# Altium PCB uTCA_MCH_PCB3.pcbdoc (part 22 of 25)
Units mil, origin at the board's own origin, x right, y up, seen from the top; angles counter-clockwise.
Board outline 7110.66 x 2894.12 mil, 12 copper layers (Top Layer, GND1, MidLayer1, PWR1, MidLayer2, GND2, PWR2, MidLayer3, GND3, MidLayer4, PWR3, Bottom Layer), stack 63.15 mil thick; 767 components, 905 nets, 4553 pads, 2832 vias.
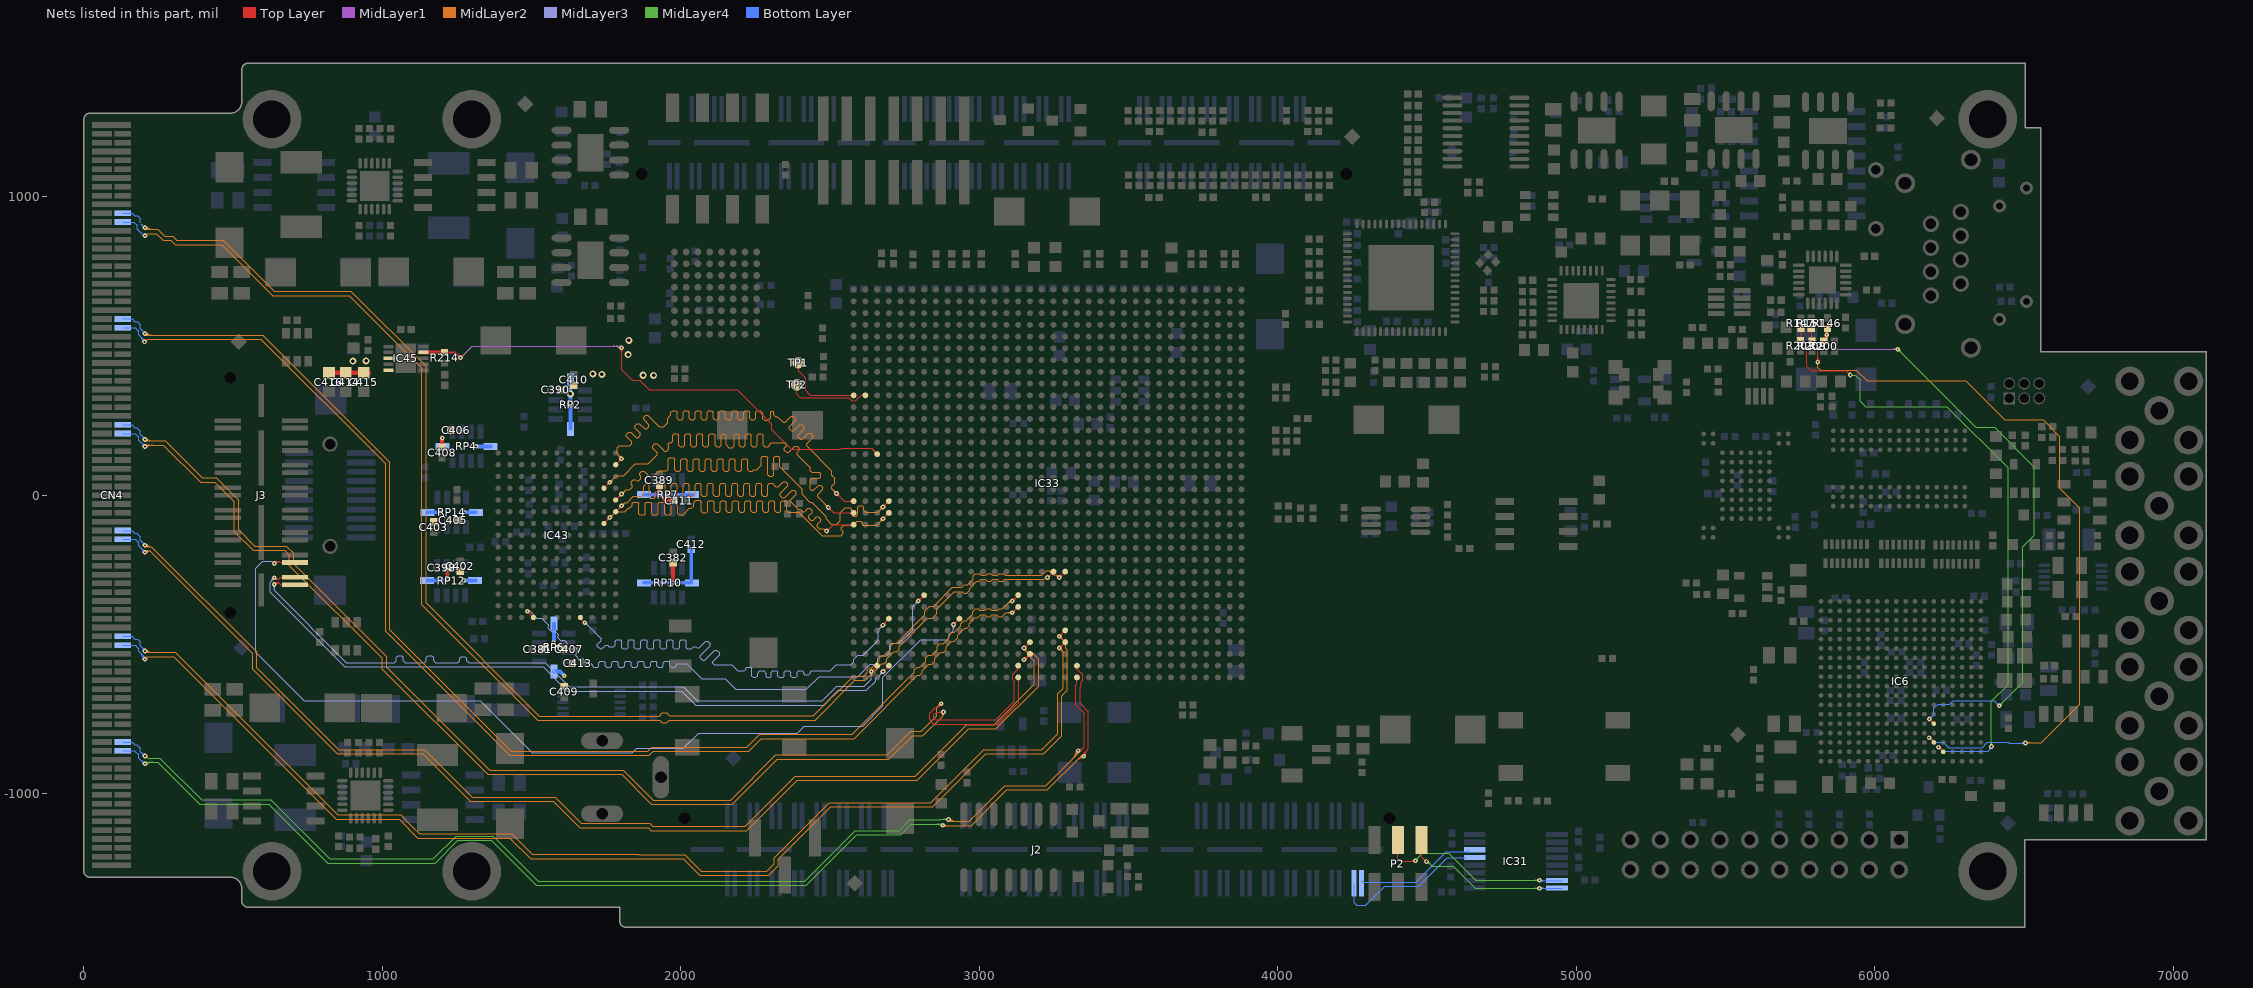
[diagram p32: the nets of this part, all layers, seen from the top]

## Via types
v1: diameter 15.75, hole 5.91, Top Layer to Bottom Layer, tented both sides, 2480 vias
v2: diameter 23.62, hole 11.81, Top Layer to Bottom Layer, tented both sides, 325 vias
v3: diameter 20, hole 10, Top Layer to Bottom Layer, tented both sides, 16 vias
v4: diameter 15.75, hole 7.87, Top Layer to Bottom Layer, tented both sides, 9 vias
v5: diameter 23.62, hole 11.81, Top Layer to Bottom Layer, 1 vias
v6: diameter 15.75, hole 5.91, Top Layer to Bottom Layer, 1 vias

## Nets (pads, with @x,y where several pads share a name; then routed paths per layer and width w, separated by ;. In a path a pad name is that pad's centre, name@x,y a point inside that pad or via, vN(x,y) a via of type N, cw(c..) or ccw(c..) an arc to the next point about the centre after c; other vN are vias at no path point) (continued)
Q2_Q31: IC33.AL20 IC43.J2 | length 1985.7
  Top Layer w3.94: IC43.J2@1742.13,-94.49 v1(1761.81,-74.8) ; v1@1755.91,-74.8 cw(c1741.65,-74.8) 1751.73,-84.88 cw(c1761.81,-94.97) v1@1761.81,-80.71 ; v1(2677.17,-78.74) IC33.AL20@2696.85,-59.06 ; v1@2677.17,-72.83 ccw(c2677.17,-58.58) 2687.25,-68.66 ccw(c2697.33,-78.74) v1@2683.07,-78.74
  MidLayer2 w3.94: v1(1761.81,-74.8) 1781.5,-55.12 1812.01,-55.12 1822.83,-44.29 1827.76,-44.29 1837.6,-34.45 1837.6,-26.36 1840.85,-23.11 1856,-23.11 1859.25,-26.36 1859.25,-62.22 1862.5,-65.47 1877.66,-65.47 1880.91,-62.22 1880.91,-26.36 1884.15,-23.11 1899.31,-23.11 1902.56,-26.36 1902.56,-62.22 1905.81,-65.47 1920.96,-65.47 1924.21,-62.22 1924.21,-26.36 1927.46,-23.11 1942.62,-23.11 1945.87,-26.36 1945.87,-62.22 1949.11,-65.47 1964.27,-65.47 1967.52,-62.22 1967.52,-26.36 1970.77,-23.11 1985.92,-23.11 1989.17,-26.36 1989.17,-62.22 1992.42,-65.47 2007.58,-65.47 2010.83,-62.22 ; v1@1761.81,-68.9 ccw(c1761.81,-54.64) 1771.89,-64.72 ccw(c1781.97,-74.8) v1@1767.72,-74.8 ; 2010.83,-62.01 2028.54,-44.29 2035.43,-44.29 2042.32,-37.4 2042.32,-24.61 2050.2,-16.73 2062.99,-16.73 2067.91,-21.65 2067.91,-53.15 2073.82,-59.06 2083.66,-59.06 2089.57,-53.15 2089.57,-21.65 2093.5,-17.72 2106.82,-17.72 2111.89,-22.79 2111.89,-52.01 2116.97,-57.09 2127.11,-57.09 2132.19,-52.01 2132.19,-22.79 2137.26,-17.72 2147.4,-17.72 2152.48,-22.79 2152.48,-52.01 2157.55,-57.09 2167.7,-57.09 2172.77,-52.01 2172.77,-22.79 2177.84,-17.72 2187.99,-17.72 2193.06,-22.79 2193.06,-52.01 2198.13,-57.09 2208.28,-57.09 2213.35,-52.01 2213.35,-22.79 2218.42,-17.72 2228.57,-17.72 2233.64,-22.79 2233.64,-52.01 2238.71,-57.09 2248.86,-57.09 2253.93,-52.01 2253.93,-22.79 2259.01,-17.72 2269.15,-17.72 2274.22,-22.79 2274.22,-52.01 2279.3,-57.09 2289.44,-57.09 2294.52,-52.01 2294.52,-22.79 2299.59,-17.72 2309.73,-17.72 2314.81,-22.79 2314.81,-52.01 2319.88,-57.09 2330.03,-57.09 2335.1,-52.01 2335.1,-22.79 2340.17,-17.72 2350.32,-17.72 2355.39,-22.79 2355.39,-52.01 2360.46,-57.09 2395.67,-57.09 2473.6,-135.02 2537.22,-135.02 2544.29,-127.95 2544.29,-123.03 2537.4,-116.14 2537.4,-109.25 2546.26,-100.39 2583.37,-100.39 2586.61,-97.15 2586.61,-90.33 2589.86,-87.09 2605.02,-87.09 2608.27,-90.33 2608.27,-97.15 2611.52,-100.39 2655.51,-100.39 v1(2677.17,-78.74) ; v1@2671.26,-78.74 cw(c2657,-78.74) 2667.08,-88.82 cw(c2677.17,-98.9) v1@2677.17,-84.65
Q2_Q32: IC33.AP21 IC43.K1 | length 1984.9
  Top Layer w3.94: IC43.K1@1781.5,-55.12 v1(1801.18,-35.43) ; v1@1795.28,-35.43 cw(c1781.02,-35.43) 1791.1,-45.51 cw(c1801.18,-55.6) v1@1801.18,-41.34 ; v1(2488.19,-120.08) 2509.84,-98.43 IC33.AP21@2578.74,-98.43 ; v1@2488.19,-114.17 ccw(c2488.19,-99.92) 2498.27,-110 ccw(c2508.35,-120.08) v1@2494.09,-120.08
  MidLayer2 w3.94: v1(1801.18,-35.43) 1811.65,-24.96 1819.53,-24.96 1840.55,-3.94 1870.08,-3.94 1875,0.98 1875,29.53 1884.84,39.37 1889.76,39.37 1893.7,35.43 ; v1@1801.18,-29.53 ccw(c1801.18,-15.27) 1811.26,-25.35 ccw(c1821.34,-35.43) v1@1807.09,-35.43 ; 1893.7,34.45 1893.7,-5.91 1897.64,-9.84 1910.43,-9.84 1914.37,-5.91 1914.37,7.87 1926.18,19.68 1926.18,33.93 1931.62,39.37 1941.77,39.37 1946.84,34.3 1946.84,1.14 1951.91,-3.94 1962.06,-3.94 1967.13,1.14 1967.13,34.3 1972.2,39.37 1982.35,39.37 1987.42,34.3 1987.42,1.14 1992.49,-3.94 2002.64,-3.94 2007.71,1.14 2007.71,34.3 2012.79,39.37 2022.93,39.37 2028,34.3 2028,1.14 2033.08,-3.94 2043.22,-3.94 2048.3,1.14 2048.3,34.3 2053.37,39.37 2063.51,39.37 2068.59,34.3 2068.59,1.14 2073.66,-3.94 2083.81,-3.94 2088.88,1.14 2088.88,34.3 2093.95,39.37 2104.1,39.37 2109.17,34.3 2109.17,1.14 2114.24,-3.94 2124.39,-3.94 2129.46,1.14 2129.46,34.3 2134.53,39.37 2144.68,39.37 2149.75,34.3 2149.75,1.14 2154.83,-3.94 2164.97,-3.94 2170.04,1.14 2170.04,34.3 2175.12,39.37 2185.26,39.37 2190.34,34.3 2190.34,1.14 2195.41,-3.94 2205.55,-3.94 2210.63,1.14 2210.63,34.3 2215.7,39.37 2225.84,39.37 2230.92,34.3 2230.92,1.14 2235.99,-3.94 2246.14,-3.94 2251.21,1.14 2251.21,34.3 2256.28,39.37 2266.43,39.37 2271.5,34.3 2271.5,1.14 2276.57,-3.94 2286.72,-3.94 2291.79,1.14 2291.79,34.3 2296.86,39.37 2307.01,39.37 2312.08,34.3 ; 2312.16,34.3 2318.55,27.91 2325.72,27.91 2343.6,45.79 2350.78,45.79 2357.95,38.62 2357.95,31.44 2336.48,9.97 2332.35,5.84 2332.35,-1.33 2339.53,-8.51 2346.7,-8.51 2350.83,-4.37 2372.3,17.09 2379.47,17.09 2386.65,9.92 2386.65,2.75 2368.77,-15.14 2368.77,-22.31 2393.7,-47.24 2399.61,-47.24 2407.62,-55.25 2414.04,-55.25 2417.72,-51.58 2425.27,-44.03 2432.44,-44.03 2439.61,-51.2 2439.61,-58.37 2432.07,-65.92 2428.39,-69.6 2428.39,-76.78 2435.56,-83.95 2442.73,-83.95 2446.41,-80.27 2453.96,-72.72 2461.14,-72.72 2468.31,-79.9 2468.31,-87.07 2460.76,-94.62 2457.08,-98.3 2457.08,-105.47 2464.26,-112.65 2471.43,-112.65 ; 2471.52,-112.55 2478.7,-112.55 ; 2479.5,-113.36 cw(c2472.78,-120.08) v1@2482.28,-120.08 ; v1@2486.42,-114.45 cw(c2484.11,-107.14) 2478.7,-112.56 ; v1@2488.19,-122.05 2487.2,-121.06 2478.7,-112.55
Q2_Q33: IC33.AL19 IC43.L1 | length 1997
  Top Layer w3.94: IC43.L1@1781.5,-15.75 v1(1801.18,3.94) ; v1@1795.28,3.94 cw(c1781.02,3.94) 1791.1,-6.14 cw(c1801.18,-16.23) v1@1801.18,-1.97 ; v1(2677.17,-39.37) IC33.AL19@2696.85,-19.68 ; v1@2677.17,-33.46 ccw(c2677.17,-19.21) 2687.25,-29.29 ccw(c2697.33,-39.37) v1@2683.07,-39.37
  MidLayer2 w3.94: v1(1801.18,3.94) 1814.96,17.72 1828.74,17.72 1837.36,26.33 1837.36,33.51 1833.4,37.47 1833.4,44.64 1840.57,51.82 1847.74,51.82 1851.71,47.86 1858.88,47.86 1866.05,55.03 1866.05,62.2 1862.09,66.17 1862.09,73.34 1869.27,80.51 1876.44,80.51 1891.54,65.42 1909.91,65.42 1927.17,82.68 1952.76,82.68 1957.68,87.6 1957.68,121.06 1961.61,125 1975.39,125 1979.33,121.06 1979.33,86.19 1985.08,80.45 1995.22,80.45 2000.3,85.52 2000.3,116.97 2005.37,122.05 2015.51,122.05 2020.59,116.97 2020.59,85.52 2025.66,80.45 2035.81,80.45 2040.88,85.52 2040.88,116.97 2045.95,122.05 2056.1,122.05 2061.17,116.97 2061.17,85.52 2066.24,80.45 2076.39,80.45 2081.46,85.52 2081.46,116.97 2086.53,122.05 2096.68,122.05 2101.75,116.97 2101.75,85.52 2106.83,80.45 2116.97,80.45 2122.04,85.52 2122.04,116.97 2127.12,122.05 2137.26,122.05 2142.33,116.97 2142.33,85.52 2147.41,80.45 2157.55,80.45 2162.63,85.52 2162.63,116.97 2167.7,122.05 2177.84,122.05 2182.92,116.97 2182.92,85.52 2187.99,80.45 2198.14,80.45 2203.21,85.52 2203.21,116.97 2208.28,122.05 2218.43,122.05 2223.5,116.97 2223.5,85.52 2228.57,80.45 2238.72,80.45 2243.79,85.52 2254.81,85.52 2269.99,100.7 2269.99,124.85 2275.06,129.92 2285.21,129.92 2290.28,124.85 2290.28,69.29 2295.35,64.22 2305.5,64.22 2310.57,69.29 2310.57,124.85 2315.64,129.92 2325.79,129.92 2330.86,124.85 2330.86,96.3 2406.85,20.31 2406.85,2.6 2432.19,-22.74 2438.09,-22.74 2486.74,-71.38 2486.74,-79.25 2503.94,-96.46 2521.83,-96.46 2533.46,-84.82 2533.46,-59.06 2551.18,-41.34 2566.93,-41.34 2572.68,-47.09 2572.68,-64.46 2577.75,-69.53 2587.9,-69.53 2592.97,-64.46 2592.97,-40.41 2598.05,-35.33 2608.19,-35.33 2613.26,-40.41 2613.26,-52.01 2618.34,-57.09 2659.45,-57.09 v1(2677.17,-39.37) ; v1@1801.18,9.84 ccw(c1801.18,24.1) 1811.26,14.02 ccw(c1821.34,3.94) v1@1807.09,3.94 ; v1@2671.26,-39.37 cw(c2657.01,-39.37) 2667.09,-49.45 cw(c2677.17,-59.54) v1@2677.17,-45.28
Q2_Q34: IC33.AP20 IC43.M2 | length 1983.1
  Top Layer w3.94: IC43.M2@1742.13,23.62 v1(1761.81,43.31) ; v1@1755.91,43.31 cw(c1741.65,43.31) 1751.73,33.23 cw(c1761.81,23.14) v1@1761.81,37.4 ; v1@2494.09,-47.24 cw(c2494.09,-61.5) 2504.18,-51.42 cw(c2514.26,-41.34) v1@2500,-41.34 ; v1(2494.09,-41.34) 2511.81,-59.06 IC33.AP20@2574.8,-59.06
  MidLayer2 w3.94: v1(1761.81,43.31) 1784.27,65.77 1808.19,65.77 1847.38,104.96 1890.39,104.96 1921.17,135.74 1921.17,142.91 1906.08,158.01 1906.08,165.18 1913.25,172.36 1920.42,172.36 1939.11,153.67 1944.76,148.03 1951.93,148.03 1959.1,155.2 1959.1,162.37 1957.04,164.44 1957.04,171.61 1960.63,175.2 1967.21,175.2 1972.28,180.27 1972.28,201.62 1977.35,206.69 1987.5,206.69 1992.57,201.62 1992.57,167.4 1997.64,162.33 2007.79,162.33 2012.86,167.4 2012.86,201.62 2017.94,206.69 2028.08,206.69 2033.15,201.62 2033.15,167.4 2038.23,162.33 2048.37,162.33 2053.45,167.4 2053.45,201.62 2058.52,206.69 2068.66,206.69 2073.74,201.62 2073.74,167.4 2078.81,162.33 2088.96,162.33 2094.03,167.4 2094.03,201.62 2099.1,206.69 2109.25,206.69 2114.32,201.62 2114.32,167.4 2119.39,162.33 2129.54,162.33 2134.61,167.4 2134.61,201.62 2139.68,206.69 2145.94,206.69 2151.81,200.83 2151.81,168.78 2160.63,159.96 2172.56,159.96 2179.06,166.46 2179.06,202.64 2183.11,206.69 2190.41,206.69 2195.48,201.62 2195.48,167.4 2200.56,162.33 2210.7,162.33 2215.78,167.4 2215.78,201.62 2220.85,206.69 2230.99,206.69 2236.07,201.62 2236.07,167.4 2241.14,162.33 2251.29,162.33 2256.36,167.4 2256.36,201.62 2261.43,206.69 2271.58,206.69 2276.65,201.62 2276.65,167.4 2281.72,162.33 2291.87,162.33 2296.94,167.4 2296.94,170.12 2302.01,175.2 2314.96,175.2 2350.39,175.2 2353.67,171.92 2353.67,164.74 2346.93,158 2346.93,150.82 2354.1,143.65 2361.28,143.65 2371.61,153.98 2381.94,164.31 2389.12,164.31 2396.29,157.14 2396.29,149.96 2389.55,143.22 2389.55,136.05 2433.07,92.52 2433.07,81.54 2438.14,76.47 2463.43,76.47 2468.5,71.4 2468.5,61.25 2463.43,56.18 2438.14,56.18 2433.07,51.1 2433.07,19.68 2436.66,16.1 2443.83,16.1 2461.71,33.98 2468.89,33.98 2476.06,26.8 2476.06,19.63 2458.18,1.75 2458.18,-5.42 2488.19,-35.43 ; v1@1761.81,49.21 ccw(c1761.81,63.47) 1771.89,53.39 ccw(c1781.97,43.31) v1@1767.72,43.31 ; v1@2488.19,-41.34 ccw(c2473.93,-41.34) 2484.01,-31.26 ccw(c2494.09,-21.18) v1@2494.09,-35.43 ; v1@2488.19,-37.4 v1@2494.09,-37.4
Q2_Q35: IC33.AP19 IC43.P1 | length 2003.8
  Top Layer w3.94: IC43.P1@1781.5,102.36 v1(1801.18,122.05) ; v1@1795.28,122.05 cw(c1781.02,122.05) 1791.1,111.97 cw(c1801.18,101.88) v1@1801.18,116.14 ; v1@2521.65,0 cw(c2521.65,-14.26) 2531.73,-4.18 cw(c2541.82,5.91) v1@2527.56,5.91 ; v1(2521.65,5.91) 2547.24,-19.68 2566.93,-19.68 ; 2553.15,-19.68 IC33.AP19@2578.74,-19.68
  MidLayer2 w3.94: 1788.85,137.57 cw(c1773.33,122.05) v1@1795.28,122.05 ; 1795.57,130.85 cw(c1786.77,122.05) v1@1799.21,122.05 ; 1796.54,129.88 ccw(c1801.18,134.52) v1@1801.18,127.95 ; v1(1801.18,122.05) 1801.18,125.23 1787.4,139.01 1787.4,159.45 1793.31,165.35 1828.74,165.35 1835.28,171.89 1835.28,179.07 1817.4,196.95 1817.4,204.12 1824.57,211.3 1831.75,211.3 1849.63,193.42 1856.8,193.42 1863.98,200.59 1863.98,207.76 1846.1,225.65 1846.1,232.82 1853.27,239.99 1860.44,239.99 1878.32,222.11 1885.5,222.11 1892.67,229.29 1892.67,236.46 1874.79,254.34 1874.79,261.52 1881.97,268.69 1889.14,268.69 1927.51,230.32 1942.91,230.32 1955.66,243.06 1955.66,257.67 1966.84,268.85 1966.84,278.31 1971.91,283.39 1982.06,283.39 1987.13,278.31 1987.13,257.95 1992.2,252.88 2002.35,252.88 2007.42,257.95 2007.42,278.31 2012.49,283.39 2022.64,283.39 2027.71,278.31 2027.71,257.95 2032.79,252.88 2042.93,252.88 2048,257.95 2048,278.31 2053.08,283.39 2063.22,283.39 2068.3,278.31 2068.3,257.95 2073.37,252.88 2083.51,252.88 2088.59,257.95 2088.59,278.31 2093.66,283.39 2103.8,283.39 2108.88,278.31 2108.88,257.95 2113.95,252.88 2124.1,252.88 2129.17,257.95 2129.17,278.31 2134.24,283.39 2144.39,283.39 2149.46,278.31 2149.46,257.95 2154.53,252.88 2164.68,252.88 2169.75,257.95 2169.75,278.31 2174.82,283.39 2184.97,283.39 2190.04,278.31 2190.04,257.95 2195.12,252.88 2205.26,252.88 2210.33,257.95 2210.33,278.31 2215.41,283.39 2225.55,283.39 2230.63,278.31 2230.63,257.95 2235.7,252.88 2245.84,252.88 2250.92,257.95 2250.92,278.31 2255.99,283.39 2266.14,283.39 2274.61,274.92 2274.61,256.97 2280.8,250.77 2292.11,250.77 2300.87,259.53 2300.87,280.2 2302.72,282.05 2308.06,282.05 2311.79,278.31 2311.79,268.85 2316.86,263.78 2322.83,263.78 2342.17,244.44 2349.34,244.44 2370.01,265.11 2377.18,265.11 2384.36,257.94 2384.36,250.76 2363.69,230.1 2363.69,222.92 2370.87,215.75 2378.04,215.75 2398.7,236.41 2405.88,236.41 2413.05,229.24 2413.05,222.06 2392.39,201.4 2392.39,194.23 2399.56,187.05 2406.74,187.05 2427.4,207.72 2434.57,207.72 2441.75,200.54 2441.75,193.37 2421.08,172.7 2421.08,165.53 2505.91,80.71 2505.91,66.71 2515.12,57.5 2515.12,39.72 2505.91,30.51 2505.91,21.65 v1(2521.65,5.91) v1@2523.62,3.94 ; v1@2515.75,5.91 ccw(c2501.49,5.91) 2511.57,15.99 ccw(c2521.65,26.07) v1@2521.65,11.81
Q2_RPS: IC33.AH27 IC43.A8 | length 1983.9
  Top Layer w3.94: v1@1485.24,-394.69 cw(c1485.24,-408.94) 1495.32,-398.86 cw(c1505.4,-388.78) v1@1491.14,-388.78 ; v1(1485.24,-388.78) IC43.A8@1505.91,-409.45 ; v1(2795.28,-354.33) IC33.AH27@2814.96,-334.65 ; v1@2795.28,-348.43 ccw(c2795.28,-334.17) 2805.36,-344.25 ccw(c2815.44,-354.33) v1@2801.18,-354.33
  MidLayer3 w3.94: v1(1485.24,-388.78) 1495.08,-388.78 ; v1@1490.45,-391.56 cw(c1495.08,-394.03) 1495.08,-388.78 ; v1@1490.45,-386 ccw(c1495.08,-383.53) 1495.08,-388.78 ; 1980.52,-575.7 1967.53,-575.7 1963.2,-571.37 1963.2,-561.29 1958.87,-556.96 1945.87,-556.96 1941.54,-561.29 1941.54,-571.37 1937.21,-575.7 1924.22,-575.7 1919.89,-571.37 1919.89,-561.29 1915.56,-556.96 1902.57,-556.96 1898.24,-561.29 1898.24,-571.37 1893.91,-575.7 1880.91,-575.7 1876.58,-571.37 1876.58,-561.29 1872.25,-556.96 1859.26,-556.96 1854.93,-561.29 1854.93,-571.37 1850.6,-575.7 1837.61,-575.7 1833.28,-571.37 1833.28,-561.29 1828.94,-556.96 1815.95,-556.96 1811.62,-561.29 1811.62,-571.37 1807.29,-575.7 1794.3,-575.7 1789.97,-571.37 1789.97,-561.29 1785.64,-556.96 1772.65,-556.96 1768.32,-561.29 1768.32,-571.37 1763.98,-575.7 1750.99,-575.7 1746.66,-571.37 1746.66,-561.29 1742.33,-556.96 1729.34,-556.96 1725.01,-561.29 1725.01,-571.37 1720.68,-575.7 1707.69,-575.7 1703.35,-571.37 1703.35,-568.3 1694.11,-559.06 1682.09,-559.06 1669.84,-546.81 1665.25,-546.81 1663.22,-548.85 1658.63,-548.85 1647.91,-538.13 1647.91,-533.53 1656.57,-524.88 1656.57,-520.28 1645.85,-509.56 1641.25,-509.56 1636.93,-513.89 1632.6,-518.22 1628,-518.22 1617.28,-507.5 1617.28,-502.91 1619.32,-500.88 1619.32,-496.29 1608.6,-485.57 1604.01,-485.57 1601.97,-487.6 1597.38,-487.6 1586.66,-476.88 1586.66,-472.29 1588.69,-470.26 1588.69,-465.66 1577.98,-454.95 1573.38,-454.95 1571.35,-456.98 1566.76,-456.98 1556.04,-446.26 1556.04,-441.67 1558.07,-439.63 1558.07,-435.04 1534.45,-411.42 1517.72,-411.42 1495.08,-388.78 ; 1980.91,-575.19 1983.87,-572.24 1983.87,-567.32 1986.22,-564.96 2019.69,-564.96 2069.88,-615.16 2148.62,-615.16 2184.06,-650.59 2420.03,-650.59 2463.34,-607.28 2593.15,-607.28 2634.49,-565.94 2651.57,-565.94 2659.45,-558.07 2659.45,-547.24 2668.31,-538.39 2688.98,-538.39 2699.8,-527.56 2699.8,-502.95 2706.69,-496.06 2732.28,-496.06 2776.57,-451.77 2776.57,-373.03 v1(2795.28,-354.33) ; v1@2789.37,-354.33 cw(c2775.11,-354.33) 2785.19,-364.41 cw(c2795.28,-374.49) v1@2795.28,-360.24
Q2_WPS: IC33.AL29 IC43.A4 | length 1983.6
  Top Layer w3.94: IC43.A4@1663.39,-412.4 v1(1678.15,-427.17) ; v1@1672.24,-427.17 ccw(c1657.99,-427.17) 1668.07,-417.08 ccw(c1678.15,-407) v1@1678.15,-421.26 ; v1@2677.17,-433.07 IC33.AL29@2696.85,-413.39 ; v1@2677.3,-429.16 ccw(c2677.3,-420.02) 2683.76,-426.48 ; v1@2679.26,-435.06 cw(c2689.14,-435.06) 2682.16,-428.08 ; v1@2683.2,-435.06 cw(c2702.58,-435.06) 2688.88,-421.36
  MidLayer3 w3.94: v1@1678.15,-433.07 cw(c1678.15,-449.7) 1689.91,-437.94 ; v1@1679.13,-427.17 1732.83,-480.86 1732.83,-486.99 1720.36,-499.45 1720.36,-505.58 1729.55,-514.77 1735.67,-514.77 1748.14,-502.3 1754.26,-502.3 1758.86,-506.89 1775.2,-506.89 1779.53,-502.56 1779.53,-488.58 1783.86,-484.25 1796.85,-484.25 1801.18,-488.58 1801.18,-510.43 1805.51,-514.76 1818.5,-514.76 1822.84,-510.43 1822.84,-488.58 1827.17,-484.25 1840.16,-484.25 1844.49,-488.58 1844.49,-510.43 1848.82,-514.76 1861.81,-514.76 1866.14,-510.43 1866.14,-488.58 1870.47,-484.25 1883.47,-484.25 1887.8,-488.58 1887.8,-510.43 1892.13,-514.76 1905.12,-514.76 1909.45,-510.43 1909.45,-488.58 1913.78,-484.25 1926.77,-484.25 1931.1,-488.58 1931.1,-510.43 1935.43,-514.76 1948.43,-514.76 1952.76,-510.43 1952.76,-488.58 1957.09,-484.25 1970.08,-484.25 1974.41,-488.58 1974.41,-510.43 1978.74,-514.76 1991.73,-514.76 1996.06,-510.43 1996.06,-488.58 2000.39,-484.25 2013.39,-484.25 2017.72,-488.58 2017.72,-510.43 2022.05,-514.76 2035.04,-514.76 2042.91,-506.89 2050.2,-506.89 2054.57,-511.26 2060.69,-511.26 2083.47,-488.49 2089.59,-488.49 2098.78,-497.68 2098.78,-503.8 2064.64,-537.94 2064.64,-544.07 2073.82,-553.25 2079.95,-553.25 2088.25,-544.95 2114.09,-519.11 2120.21,-519.11 2129.4,-528.3 2129.4,-534.42 2106.63,-557.2 2106.63,-563.32 2111.22,-567.91 2170.28,-567.91 2190.94,-588.58 2212.21,-588.58 2216.54,-584.25 2216.54,-580.12 2220.87,-575.79 2233.86,-575.79 2238.19,-580.12 2238.19,-605.91 2242.52,-610.24 2250.63,-610.24 2256.77,-604.09 2256.77,-595.98 2264.17,-588.58 2277.17,-588.58 2285.79,-597.2 2285.79,-607.6 2288.43,-610.24 2298.82,-610.24 2303.15,-605.91 2303.15,-592.91 2307.48,-588.58 2320.47,-588.58 2324.8,-592.91 2324.8,-605.91 2329.13,-610.24 2342.13,-610.24 2346.46,-605.91 2346.46,-592.91 2350.79,-588.58 2363.78,-588.58 2368.11,-592.91 2368.11,-605.91 2372.44,-610.24 2385.43,-610.24 2389.76,-605.91 2389.76,-592.91 2394.09,-588.58 2407.09,-588.58 2411.42,-592.91 2411.42,-597.54 2415.75,-601.87 2428.74,-601.87 2433.07,-597.54 2433.07,-592.91 2437.4,-588.58 2500,-588.58 2520.67,-567.91 2568.9,-567.91 2578.74,-558.07 2578.74,-550.2 2592.52,-536.42 2611.22,-536.42 2661.42,-486.22 2661.42,-450.94 v1(2677.3,-435.06) ; v1@1684.06,-427.17 ccw(c1695.94,-427.17) 1687.53,-435.57 ; v1@2671.39,-435.06 cw(c2657.13,-435.06) 2667.21,-445.14 cw(c2677.3,-455.22) v1@2677.3,-440.97
QDR2_VTT_GOOD: IC33.AM15 IC45.9 R214.1 | length 1895.1
  Top Layer w3.94: v1@1797.01,489.92 cw(c1786.92,479.84) 1801.18,479.84 cw(c1815.44,479.84) v1@1805.36,489.92 ; v1(1801.18,494.09) 1801.18,421.14 1836.38,385.94 1862.28,385.94 1894.72,353.5 2189.41,353.5 2304.53,238.39 2304.53,219.17 2370.16,153.54 2396.42,153.54 ; 2391.89,153.54 2536,153.54 2539.73,157.27 2638.6,157.27 IC33.AM15@2657.48,138.39 ; 2641.73,153.54 IC33.AM15@2657.48,137.8
  Top Layer w6.89: R214.1@1208.66,478.35 1244.09,478.35 v1(1261.81,460.63) ; v1@1257.38,460.63 ccw(c1246.69,460.63) 1254.25,468.19 ccw(c1261.81,475.75) v1@1261.81,465.06
  Top Layer w12.6: IC45.9@1137.8,478.35 R214.1@1210.63,478.35
  MidLayer1 w3.94: v1(1261.81,460.63) 1300.71,499.53 1795.75,499.53 v1(1801.18,494.09) ; v1@1261.81,466.54 ccw(c1261.81,480.79) 1271.89,470.71 ccw(c1281.97,460.63) v1@1267.72,460.63 ; 1773.81,499.53 cw(c1773.81,466.72) v1@1797.01,489.92 ; 1783.31,499.53 cw(c1783.31,476.23) v1@1799.79,492.7 ; 1792.82,499.53 cw(c1792.82,485.73) v1@1802.57,495.49
QDRII1_CAL_DONE: IC33.AP10 TP1.1 | length 271.3
  Top Layer w3.94: TP1.1@2395.28,445.94 2395.28,415.47 2415.41,395.33 ; 2415.69,395.33 2417.76,393.27 2417.76,351.34 2428.66,340.43 ; 2428.66,340.39 2434.13,334.92 IC33.AP10@2578.46,334.92
QDRII2_CAL_DONE: IC33.AN10 TP2.1 | length 267.6
  Top Layer w3.94: TP2.1@2388.23,360.79 2388.23,339.17 2400.63,326.77 2562.79,326.77 2572.14,317.42 2585.33,317.42 2594.68,326.77 2596.14,326.77 2604.02,334.65 IC33.AN10@2618.11,334.65
QDRII_VTT: C381.1 C382.1 C389.1 C390.1 C398.2 C402.2 C403.2 C405.2 C406.1 C407.1 C408.1 C409.1 C410.1 C411.1 C412.1 C413.1 C414.2 C415.2 C416.2 IC45.3 IC45.5 RP2.1 RP2.6 RP4.1 RP4.6 RP6.1 RP6.6 RP7.1 RP7.6 RP10.1 RP10.6 RP12.1 RP12.6 RP14.1 RP14.6 | length 1364.6
  Top Layer w12.52: C408.1@1200,160.63 v1@1200,192.13 ; v1@1217.32,-281.5 C398.2@1217.32,-253.54 ; v1@1928.35,1.97 C389.1@1928.35,33.07 ; v1@1929.13,1.97 1948.82,-17.72 C411.1@1977.36,-17.72 ; v1@1973.62,-292.13 C382.1@1973.62,-229.33
  Top Layer w15.75: C416.2@837.76,410.79 C415.2@953.98,410.79
  Bottom Layer w12.52: RP12.1@1151.57,-285.43 v1@1213.39,-285.43 ; RP14.1@1151.57,-57.09 v1(1193.31,-57.09) ; RP4.6@1200.79,163.39 v1@1200.79,191.34 ; 1204.48,-285.43 ccw(c1204.48,-269.44) v1@1215.79,-280.75 ; v1(1271.65,-285.43) RP12.6@1312.99,-285.43 ; v1@1273.23,-57.09 RP14.6@1312.99,-57.09 ; v1@1314.57,163.39 RP4.1@1362.21,163.39 ; RP6.1@1574.8,-590.55 1595.28,-590.55 v1(1609.45,-604.72) ; v1@1574.8,-492.13 RP6.6@1574.8,-429.13 ; v2@1625.6,335.44 cw(c1615.17,325.02) 1629.92,325.02 ; v2@1625.6,343.3 ccw(c1617.08,351.82) 1629.13,351.82 ; v2@1629.13,339.76 RP2.1@1629.13,388.98 ; 1629.13,353.72 ccw(c1643.88,353.72) v2@1633.45,343.3 ; RP2.6@1629.92,222.44 v2@1629.92,338.98 ; 1629.92,290.75 cw(c1645.8,290.75) v2@1634.57,301.98 ; 1629.92,321.06 ccw(c1645.8,321.06) v2@1634.57,309.83 ; 1629.92,326.92 cw(c1641.98,326.92) v2@1633.45,335.44 ; RP10.1@1875.98,-293.31 v1(1973.62,-293.31) RP10.6@2035.04,-293.31 ; RP7.1@1875.98,1.97 v1@1928.35,1.97 ; v1(1928.74,1.57) RP7.6@2038.58,1.57 ; RP10.6@2034.45,-290.35 C412.1@2034.45,-182.09
  other v1: 1573.23,-493.7 1216.93,-281.89 1272.44,-56.3 1314.17,163.78 1200.39,191.73
  other v2: 1630.65,305.9 1629.53,339.37 1908.46,401.22 1873.19,402.05 1735.24,405.24 1705.35,406.3 901.02,449.53 945.27,449.82 1823.43,470.94 1825.83,519.13
RS232_FPGA_RXD: IC31.8 P2.6 | length 703.9
  Top Layer w3.94: P2.6@4476.34,-1196.86 P2.6@4476.34,-1156.43 ; P2.6@4480.77,-1154.96 4480.77,-1211.26 v1@4497.75,-1228.24 ; 4485.94,-1216.43 ccw(c4498.05,-1204.31) v1@4498.05,-1221.44 ; 4488.81,-1219.3 cw(c4480.76,-1227.35) v1@4492.14,-1227.35
  MidLayer4 w3.94: v1@4498.05,-1233.26 cw(c4498.05,-1258.23) 4515.71,-1240.57 ; v1@4498.05,-1229.32 cw(c4498.05,-1244.79) 4508.99,-1233.85 ; v1@4500.42,-1225.28 4517.86,-1242.72 4586.98,-1242.72 4661.03,-1316.77 v1@4873.88,-1316.77 ; 4861.88,-1316.77 cw(c4861.88,-1331.16) v1@4872.05,-1320.99 ; 4862.07,-1316.77 ccw(c4862.07,-1302.65) v1@4872.05,-1312.63